# Altium PCB Board.PcbDoc (part 5 of 15)
Units mil, origin at the board's own origin, x right, y up, seen from the top; angles counter-clockwise.
Board outline 6379.64 x 4143.89 mil, 4 copper layers (Top Layer, GND, VCC, Bottom Layer); 316 components, 199 nets, 1077 pads, 596 vias.
Unrouted connection lines stored in the file: 268.
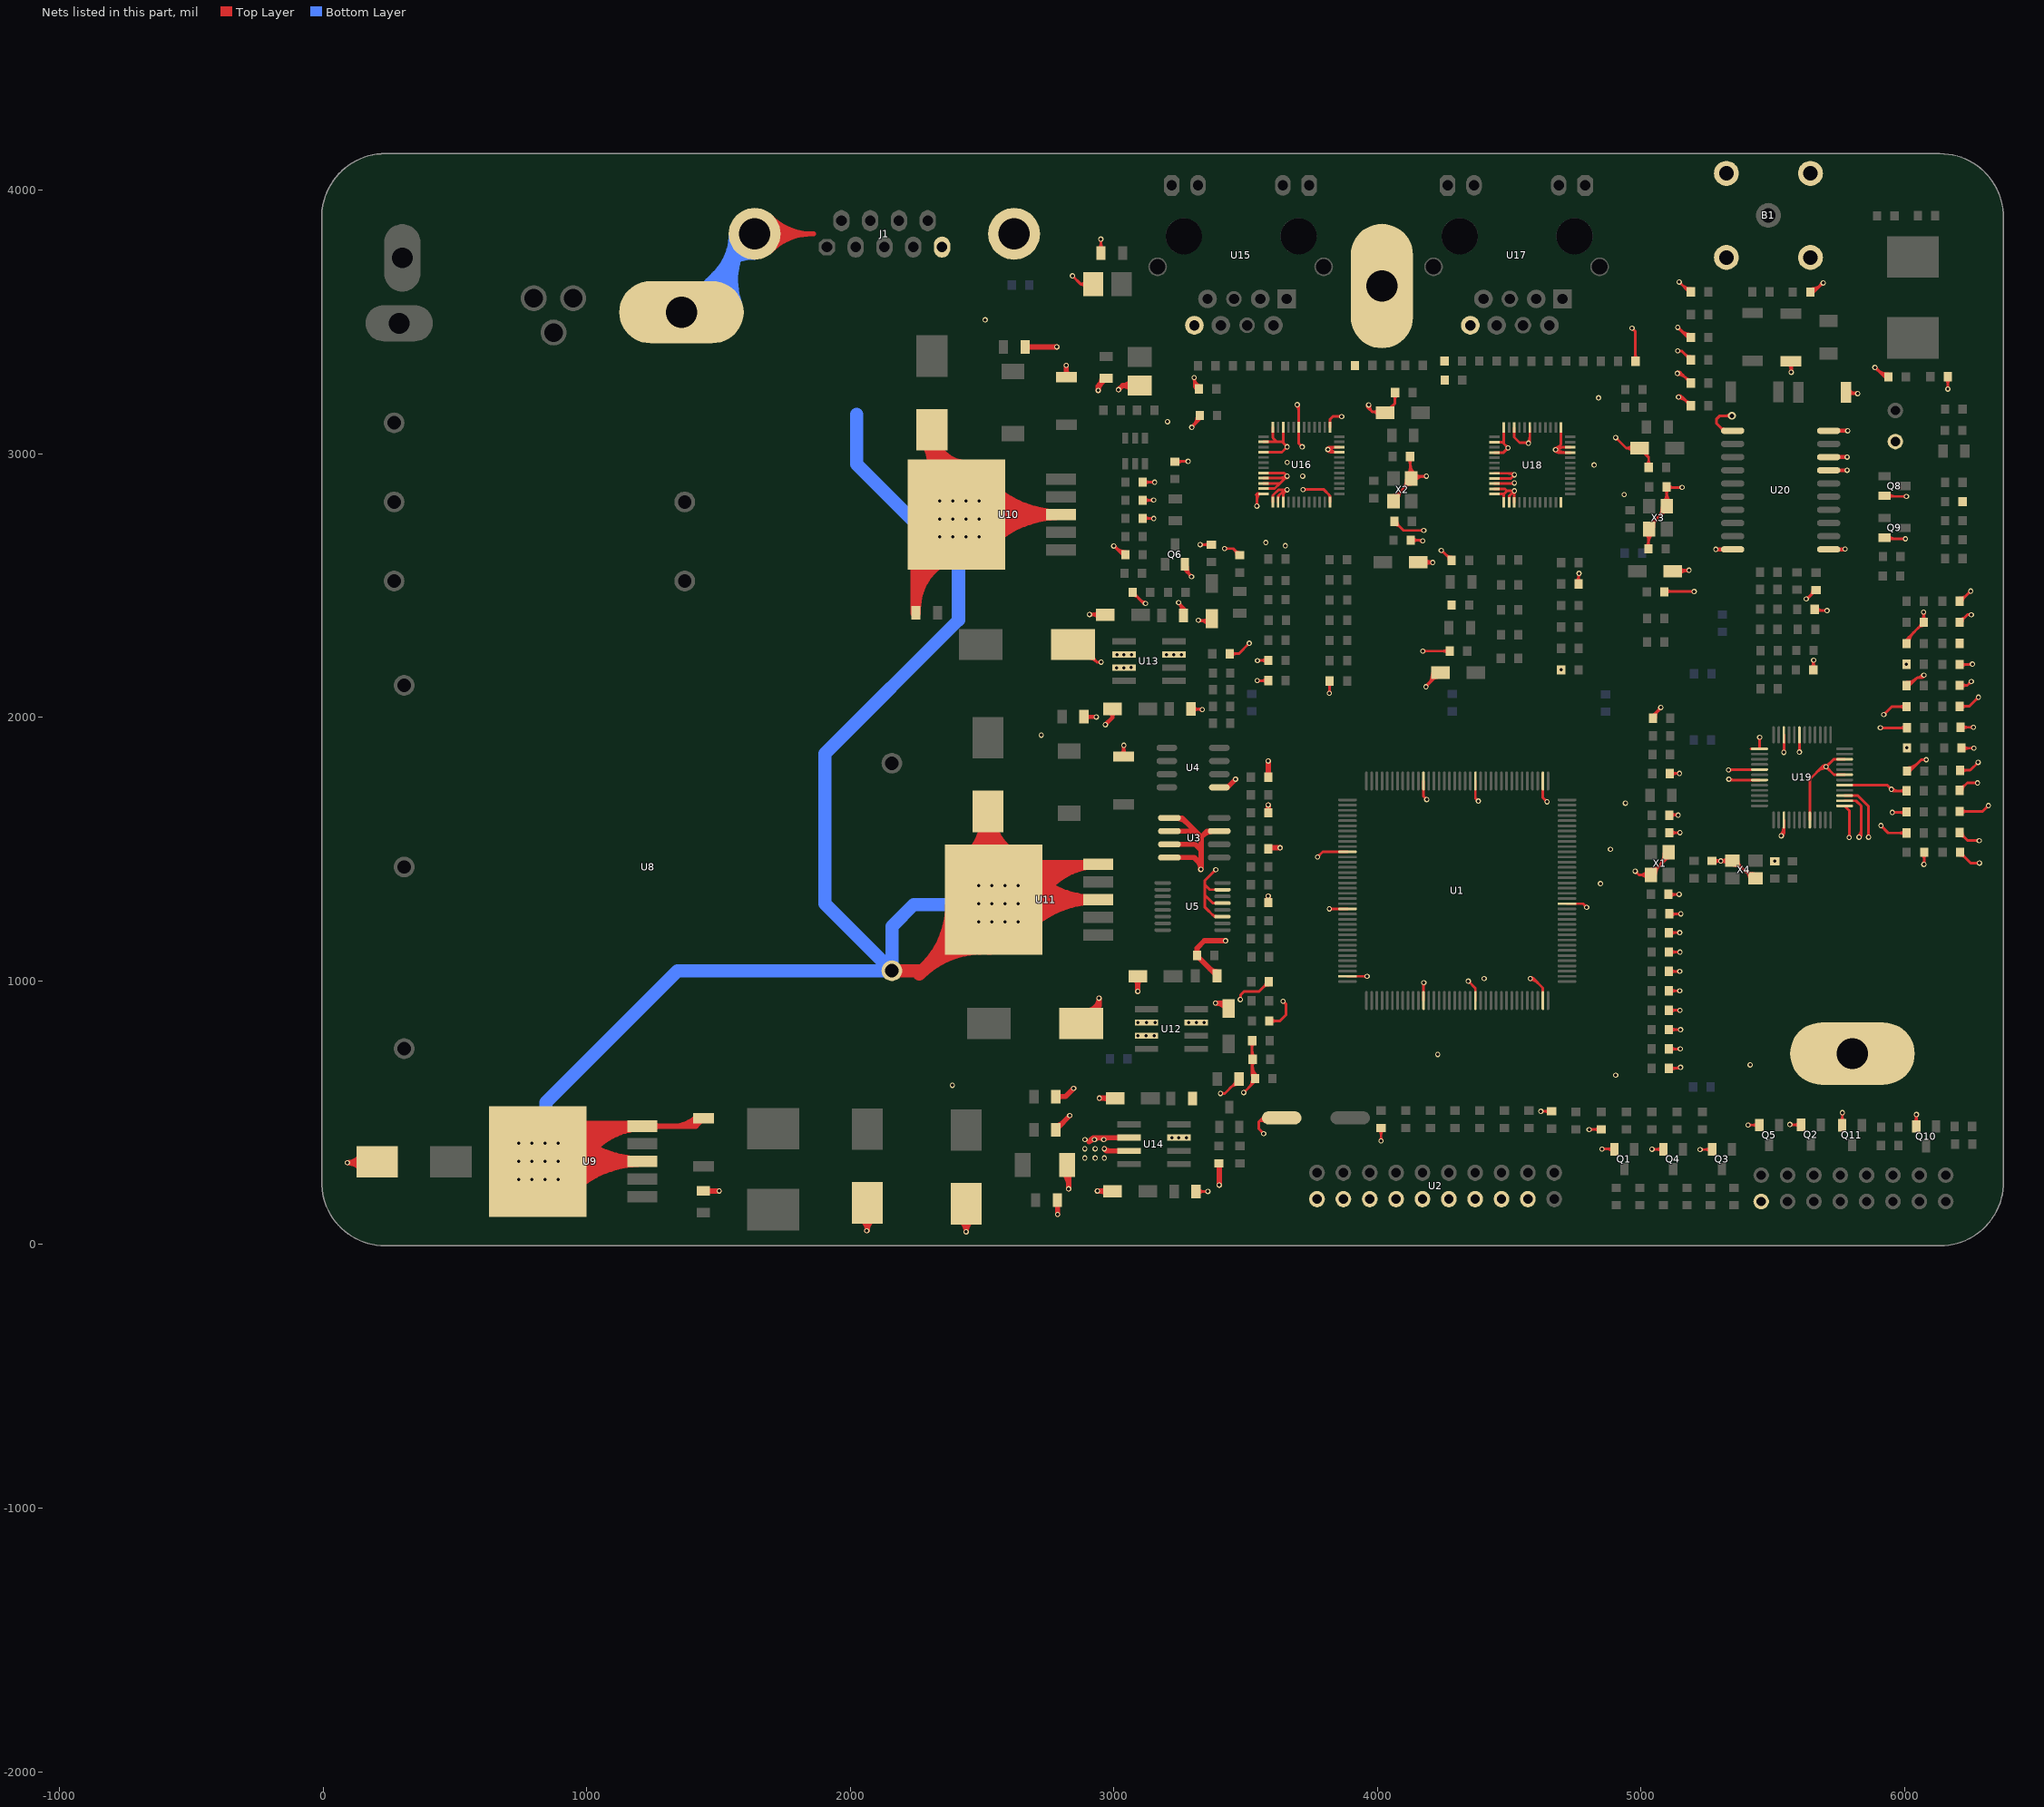
[diagram p6: the nets of this part, all layers, seen from the top]

## Via types
v1: diameter 20, hole 12, Top Layer to Bottom Layer, 590 vias
v2: diameter 30, hole 17, Top Layer to Bottom Layer, 6 vias

## Nets (pads, with @x,y where several pads share a name; then routed paths per layer and width w, separated by ;. In a path a pad name is that pad's centre, name@x,y a point inside that pad or via, vN(x,y) a via of type N, cw(c..) or ccw(c..) an arc to the next point about the centre after c; other vN are vias at no path point) (continued)
GND: (continued)
  Top Layer w10: 4163.53,2709.45 ccw(c4163.53,2721.52) v1@4172.06,2712.98 ; 4163.53,2709.45 cw(c4163.53,2697.38) v1@4172.06,2705.91 ; 4173.53,2915.45 cw(c4173.53,2903.38) v1@4182.06,2911.91 ; 4173.53,2915.45 ccw(c4173.53,2927.52) v1@4182.06,2918.98 ; 4173.53,2915.45 cw(c4173.53,2903.38) v1@4182.06,2911.91 ; 4173.53,2915.45 ccw(c4173.53,2927.52) v1@4182.06,2918.98 ; 4173.53,2915.45 ccw(c4173.53,2927.52) v1@4182.06,2918.98 ; 4173.53,2915.45 cw(c4173.53,2903.38) v1@4182.06,2911.91 ; 4174.65,979.08 cw(c4189.97,979.08) v1@4179.13,989.91 ; 4174.65,979.08 cw(c4189.97,979.08) v1@4179.13,989.91 ; 4174.65,979.08 cw(c4189.97,979.08) v1@4179.13,989.91 ; v1@4175.13,2247.91 cw(c4183.67,2239.38) 4183.67,2251.45 ; v1@4175.13,2247.91 cw(c4183.67,2239.38) 4183.67,2251.45 ; v1@4175.13,2247.91 cw(c4183.67,2239.38) 4183.67,2251.45 ; v1@4175.13,2254.98 ccw(c4183.67,2263.52) 4183.67,2251.45 ; v1@4175.13,2254.98 ccw(c4183.67,2263.52) 4183.67,2251.45 ; v1@4175.13,2254.98 ccw(c4183.67,2263.52) 4183.67,2251.45 ; C67.1@4180.07,2575.88 cw(c4208.6,2549.8) v1@4208.6,2588.45 ; C67.1@4180.07,2575.88 cw(c4208.6,2549.8) v1@4208.6,2588.45 ; C67.1@4180.07,2575.88 cw(c4208.6,2549.8) v1@4208.6,2588.45 ; C67.1@4180.07,2601.02 ccw(c4208.6,2627.1) v1@4208.6,2588.45 ; C67.1@4180.07,2601.02 ccw(c4208.6,2627.1) v1@4208.6,2588.45 ; C67.1@4180.07,2601.02 ccw(c4208.6,2627.1) v1@4208.6,2588.45 ; v1@4183.6,2121.45 ccw(c4183.6,2133.52) 4192.13,2124.98 ; v1@4183.6,2121.45 ccw(c4183.6,2133.52) 4192.13,2124.98 ; v1@4183.6,2121.45 ccw(c4183.6,2133.52) 4192.13,2124.98 ; v1@4188.6,2116.45 cw(c4200.67,2116.45) 4192.13,2124.98 ; v1@4188.6,2116.45 cw(c4200.67,2116.45) 4192.13,2124.98 ; v1@4188.6,2116.45 cw(c4200.67,2116.45) 4192.13,2124.98 ; 4195.11,2588.45 cw(c4195.11,2572.96) v1@4206.06,2583.91 ; 4195.11,2588.45 cw(c4195.11,2572.96) v1@4206.06,2583.91 ; 4195.11,2588.45 cw(c4195.11,2572.96) v1@4206.06,2583.91 ; 4211.69,2144.54 cw(c4226.87,2129.37) C78.1@4226.87,2150.83 ; 4211.69,2144.54 cw(c4226.87,2129.37) C78.1@4226.87,2150.83 ; 4211.69,2144.54 cw(c4226.87,2129.37) C78.1@4226.87,2150.83 ; v1@4241.6,2628.45 cw(c4241.6,2611.55) 4253.55,2623.5 ; v1@4241.6,2628.45 cw(c4241.6,2611.55) 4253.55,2623.5 ; v1@4241.6,2628.45 cw(c4241.6,2611.55) 4253.55,2623.5 ; 4248.65,2251.45 cw(c4248.65,2225.5) C80.1@4267,2243.85 ; 4248.65,2251.45 ccw(c4248.65,2277.4) C80.1@4267,2259.05 ; 4248.65,2251.45 cw(c4248.65,2225.5) C80.1@4267,2243.85 ; 4248.65,2251.45 ccw(c4248.65,2277.4) C80.1@4267,2259.05 ; 4248.65,2251.45 ccw(c4248.65,2277.4) C80.1@4267,2259.05 ; 4248.65,2251.45 cw(c4248.65,2225.5) C80.1@4267,2243.85 ; 4259.89,2617.16 ccw(c4281.6,2638.87) C84.2@4281.6,2608.17 ; 4259.89,2617.16 ccw(c4281.6,2638.87) C84.2@4281.6,2608.17 ; 4259.89,2617.16 ccw(c4281.6,2638.87) C84.2@4281.6,2608.17 ; 4264.64,2612.4 cw(c4249.65,2597.42) C84.2@4270.85,2597.42 ; 4264.64,2612.4 cw(c4249.65,2597.42) C84.2@4270.85,2597.42 ; 4264.64,2612.4 cw(c4249.65,2597.42) C84.2@4270.85,2597.42 ; v1@4344.6,994.45 cw(c4344.6,982.38) 4353.13,990.91 ; v1@4344.6,994.45 cw(c4344.6,982.38) 4353.13,990.91 ; v1@4344.6,994.45 cw(c4344.6,982.38) 4353.13,990.91 ; v1@4349.6,999.45 ccw(c4361.67,999.45) 4353.13,990.91 ; v1@4349.6,999.45 ccw(c4361.67,999.45) 4353.13,990.91 ; v1@4349.6,999.45 ccw(c4361.67,999.45) 4353.13,990.91 ; 4479.33,2847.18 4491.6,2859.45 ; 4487.06,3013.91 cw(c4495.6,3005.38) v1@4495.6,3017.45 ; 4487.06,3013.91 ccw(c4478.53,3022.45) v1@4490.6,3022.45 ; 4487.06,3013.91 cw(c4495.6,3005.38) v1@4495.6,3017.45 ; 4487.06,3013.91 ccw(c4478.53,3022.45) v1@4490.6,3022.45 ; 4487.06,3013.91 ccw(c4478.53,3022.45) v1@4490.6,3022.45 ; 4487.06,3013.91 cw(c4495.6,3005.38) v1@4495.6,3017.45 ; 4487.06,3030.98 cw(c4478.53,3022.45) v1@4490.6,3022.45 ; 4487.06,3030.98 ccw(c4495.6,3039.52) v1@4495.6,3027.45 ; 4487.06,3030.98 cw(c4478.53,3022.45) v1@4490.6,3022.45 ; 4487.06,3030.98 ccw(c4495.6,3039.52) v1@4495.6,3027.45 ; 4487.06,3030.98 ccw(c4495.6,3039.52) v1@4495.6,3027.45 ; 4487.06,3030.98 cw(c4478.53,3022.45) v1@4490.6,3022.45 ; 4491.6,2859.45 v1(4519.6,2859.45) v1@4518.7,2858.55 ; 4493.66,2926.19 cw(c4493.66,2894.51) v1@4516.06,2916.91 ; 4493.66,2926.19 cw(c4493.66,2894.51) v1@4516.06,2916.91 ; 4493.66,2926.19 cw(c4493.66,2894.51) v1@4516.06,2916.91 ; U18.38@4499.02,2830.72 cw(c4518.68,2830.72) 4504.77,2844.63 ; U18.38@4499.02,2830.72 cw(c4518.68,2830.72) 4504.77,2844.63 ; U18.38@4499.02,2830.72 cw(c4518.68,2830.72) 4504.77,2844.63 ; 4501.18,2886.82 ccw(c4501.18,2907.86) v1@4516.06,2892.98 ; 4501.18,2886.82 ccw(c4501.18,2907.86) v1@4516.06,2892.98 ; 4501.18,2886.82 ccw(c4501.18,2907.86) v1@4516.06,2892.98 ; 4507.53,2859.45 cw(c4507.53,2847.38) v1@4516.06,2855.91 ; 4507.53,2859.45 ccw(c4507.53,2871.52) v1@4516.06,2862.98 ; 4507.53,2859.45 cw(c4507.53,2847.38) v1@4516.06,2855.91 ; 4507.53,2859.45 ccw(c4507.53,2871.52) v1@4516.06,2862.98 ; 4507.53,2859.45 ccw(c4507.53,2871.52) v1@4516.06,2862.98 ; 4507.53,2859.45 cw(c4507.53,2847.38) v1@4516.06,2855.91 ; 4511.06,2850.91 cw(c4519.6,2842.38) v1@4519.6,2854.45 ; 4511.06,2850.91 ccw(c4502.53,2859.45) v1@4514.6,2859.45 ; 4511.06,2850.91 cw(c4519.6,2842.38) v1@4519.6,2854.45 ; 4511.06,2850.91 ccw(c4502.53,2859.45) v1@4514.6,2859.45 ; 4511.06,2850.91 ccw(c4502.53,2859.45) v1@4514.6,2859.45 ; 4511.06,2850.91 cw(c4519.6,2842.38) v1@4519.6,2854.45 ; 4511.06,2911.91 cw(c4519.6,2903.38) v1@4519.6,2915.45 ; 4511.06,2911.91 ccw(c4502.53,2920.45) v1@4514.6,2920.45 ; 4511.06,2911.91 cw(c4519.6,2903.38) v1@4519.6,2915.45 ; 4511.06,2911.91 ccw(c4502.53,2920.45) v1@4514.6,2920.45 ; 4511.06,2911.91 ccw(c4502.53,2920.45) v1@4514.6,2920.45 ; 4511.06,2911.91 cw(c4519.6,2903.38) v1@4519.6,2915.45 ; 4518.7,2845.2 cw(c4533.84,2845.2) v1@4523.13,2855.91 ; 4518.7,2845.2 cw(c4533.84,2845.2) v1@4523.13,2855.91 ; 4518.7,2845.2 cw(c4533.84,2845.2) v1@4523.13,2855.91 ; 4555.7,3042.45 cw(c4555.7,3023.55) v1@4569.06,3036.91 ; 4555.7,3042.45 cw(c4555.7,3023.55) v1@4569.06,3036.91 ; 4555.7,3042.45 cw(c4555.7,3023.55) v1@4569.06,3036.91 ; v1@4569.06,3043.98 ccw(c4548.08,3064.97) 4577.76,3064.97 ; v1@4569.06,3043.98 ccw(c4548.08,3064.97) 4577.76,3064.97 ; v1@4569.06,3043.98 ccw(c4548.08,3064.97) 4577.76,3064.97 ; v1@4579.6,1004.45 cw(c4579.6,963.41) 4608.62,992.43 ; v1@4579.6,1004.45 cw(c4579.6,963.41) 4608.62,992.43 ; v1@4579.6,1004.45 cw(c4579.6,963.41) 4608.62,992.43 ; v1@4579.6,1014.45 cw(c4579.6,997.55) 4591.55,1009.5 ; v1@4579.6,1014.45 cw(c4579.6,997.55) 4591.55,1009.5 ; v1@4579.6,1014.45 cw(c4579.6,997.55) 4591.55,1009.5 ; v1@4623.13,501.91 cw(c4631.67,493.38) 4631.67,505.45 ; v1@4623.13,501.91 cw(c4631.67,493.38) 4631.67,505.45 ; v1@4623.13,501.91 cw(c4631.67,493.38) 4631.67,505.45 ; v1@4623.13,508.98 ccw(c4631.67,517.52) 4631.67,505.45 ; v1@4623.13,508.98 ccw(c4631.67,517.52) 4631.67,505.45 ; v1@4623.13,508.98 ccw(c4631.67,517.52) 4631.67,505.45 ; 4632.68,505.45 cw(c4632.68,479.5) C15.1@4651.03,497.85 ; 4632.68,505.45 ccw(c4632.68,531.4) C15.1@4651.03,513.05 ; 4632.68,505.45 cw(c4632.68,479.5) C15.1@4651.03,497.85 ; 4632.68,505.45 ccw(c4632.68,531.4) C15.1@4651.03,513.05 ; 4632.68,505.45 ccw(c4632.68,531.4) C15.1@4651.03,513.05 ; 4632.68,505.45 cw(c4632.68,479.5) C15.1@4651.03,497.85 ; 4635.06,1687.98 cw(c4626.53,1679.45) v1@4638.6,1679.45 ; 4635.06,1687.98 ccw(c4643.6,1696.52) v1@4643.6,1684.45 ; 4635.06,1687.98 cw(c4626.53,1679.45) v1@4638.6,1679.45 ; 4635.06,1687.98 ccw(c4643.6,1696.52) v1@4643.6,1684.45 ; 4635.06,1687.98 ccw(c4643.6,1696.52) v1@4643.6,1684.45 ; 4635.06,1687.98 cw(c4626.53,1679.45) v1@4638.6,1679.45 ; v1@4675.6,3020.45 ccw(c4675.6,3032.52) 4684.13,3023.98 ; v1@4675.6,3020.45 ccw(c4675.6,3032.52) 4684.13,3023.98 ; v1@4675.6,3020.45 ccw(c4675.6,3032.52) 4684.13,3023.98 ; v1@4675.6,3020.45 ccw(c4675.6,3032.52) 4684.13,3023.98 ; v1@4675.6,3020.45 ccw(c4675.6,3032.52) 4684.13,3023.98 ; v1@4680.6,3015.45 cw(c4692.67,3015.45) 4684.13,3023.98 ; v1@4680.6,3015.45 cw(c4692.67,3015.45) 4684.13,3023.98 ; v1@4680.6,3015.45 cw(c4692.67,3015.45) 4684.13,3023.98 ; v1@4680.6,3015.45 cw(c4692.67,3015.45) 4684.13,3023.98 ; v1@4680.6,3015.45 cw(c4692.67,3015.45) 4684.13,3023.98 ; R63.1@4754.85,2516.18 ccw(c4736.5,2534.52) 4762.45,2534.52 ; R63.1@4754.85,2516.18 ccw(c4736.5,2534.52) 4762.45,2534.52 ; R63.1@4754.85,2516.18 ccw(c4736.5,2534.52) 4762.45,2534.52 ; 4762.45,2529.19 cw(c4781.86,2529.19) v1@4768.13,2542.91 ; 4762.45,2529.19 cw(c4781.86,2529.19) v1@4768.13,2542.91 ; 4762.45,2529.19 cw(c4781.86,2529.19) v1@4768.13,2542.91 ; 4762.45,2534.52 ccw(c4788.4,2534.52) R63.1@4770.05,2516.18 ; 4762.45,2534.52 ccw(c4788.4,2534.52) R63.1@4770.05,2516.18 ; 4762.45,2534.52 ccw(c4788.4,2534.52) R63.1@4770.05,2516.18 ; 4785.06,1287.98 cw(c4776.53,1279.45) v1@4788.6,1279.45 ; 4785.06,1287.98 ccw(c4793.6,1296.52) v1@4793.6,1284.45 ; 4785.06,1287.98 cw(c4776.53,1279.45) v1@4788.6,1279.45 ; 4785.06,1287.98 ccw(c4793.6,1296.52) v1@4793.6,1284.45 ; 4785.06,1287.98 ccw(c4793.6,1296.52) v1@4793.6,1284.45 ; 4785.06,1287.98 cw(c4776.53,1279.45) v1@4788.6,1279.45 ; v1@4806.13,432.91 cw(c4814.67,424.38) 4814.67,436.45 ; v1@4806.13,432.91 cw(c4814.67,424.38) 4814.67,436.45 ; v1@4806.13,432.91 cw(c4814.67,424.38) 4814.67,436.45 ; v1@4806.13,439.98 ccw(c4814.67,448.52) 4814.67,436.45 ; v1@4806.13,439.98 ccw(c4814.67,448.52) 4814.67,436.45 ; v1@4806.13,439.98 ccw(c4814.67,448.52) 4814.67,436.45 ; 4818.27,436.45 ccw(c4818.27,465.81) R1.1@4839.03,445.05 ; 4818.27,436.45 ccw(c4818.27,465.81) R1.1@4839.03,445.05 ; 4818.27,436.45 ccw(c4818.27,465.81) R1.1@4839.03,445.05 ; 4823.1,436.45 cw(c4823.1,413.91) R1.1@4839.03,429.85 ; 4823.1,436.45 cw(c4823.1,413.91) R1.1@4839.03,429.85 ; 4823.1,436.45 cw(c4823.1,413.91) R1.1@4839.03,429.85 ; v1@4855.13,358.91 cw(c4863.67,350.38) 4863.67,362.45 ; v1@4855.13,358.91 cw(c4863.67,350.38) 4863.67,362.45 ; v1@4855.13,358.91 cw(c4863.67,350.38) 4863.67,362.45 ; v1@4855.13,365.98 ccw(c4863.67,374.52) 4863.67,362.45 ; v1@4855.13,365.98 ccw(c4863.67,374.52) 4863.67,362.45 ; v1@4855.13,365.98 ccw(c4863.67,374.52) 4863.67,362.45 ; 4870.43,362.45 cw(c4870.43,333.09) Q1.1@4891.2,353.85 ; 4870.43,362.45 cw(c4870.43,333.09) Q1.1@4891.2,353.85 ; 4870.43,362.45 cw(c4870.43,333.09) Q1.1@4891.2,353.85 ; 4875.26,362.45 ccw(c4875.26,384.98) Q1.1@4891.2,369.05 ; 4875.26,362.45 ccw(c4875.26,384.98) Q1.1@4891.2,369.05 ; 4875.26,362.45 ccw(c4875.26,384.98) Q1.1@4891.2,369.05 ; v1@4903.6,3056.45 cw(c4903.6,3044.38) 4912.13,3052.91 ; v1@4903.6,3056.45 cw(c4903.6,3044.38) 4912.13,3052.91 ; v1@4903.6,3056.45 cw(c4903.6,3044.38) 4912.13,3052.91 ; v1@4908.6,3061.45 ccw(c4920.67,3061.45) 4912.13,3052.91 ; v1@4908.6,3061.45 ccw(c4920.67,3061.45) 4912.13,3052.91 ; v1@4908.6,3061.45 ccw(c4920.67,3061.45) 4912.13,3052.91 ; 4943.6,3021.45 cw(c4943.6,2991.44) C73.1@4967.21,3009.96 ; 4943.6,3021.45 ccw(c4943.6,3051.45) C73.1@4967.21,3032.94 ; 4943.6,3021.45 cw(c4943.6,2991.44) C73.1@4967.21,3009.96 ; 4943.6,3021.45 ccw(c4943.6,3051.45) C73.1@4967.21,3032.94 ; 4943.6,3021.45 ccw(c4943.6,3051.45) C73.1@4967.21,3032.94 ; 4943.6,3021.45 cw(c4943.6,2991.44) C73.1@4967.21,3009.96 ; 4943.6,3021.45 C73.1@4993.68,3021.45 5028.6,2986.53 ; v1@4965.6,3471.45 cw(c4965.6,3459.38) 4974.13,3467.91 ; v1@4965.6,3471.45 cw(c4965.6,3459.38) 4974.13,3467.91 ; v1@4965.6,3471.45 cw(c4965.6,3459.38) 4974.13,3467.91 ; v1@4970.6,3476.45 ccw(c4982.67,3476.45) 4974.13,3467.91 ; v1@4970.6,3476.45 ccw(c4982.67,3476.45) 4974.13,3467.91 ; v1@4970.6,3476.45 ccw(c4982.67,3476.45) 4974.13,3467.91 ; C75.2@4971,3361.02 ccw(c4952.65,3379.37) 4978.6,3379.37 ; C75.2@4971,3361.02 ccw(c4952.65,3379.37) 4978.6,3379.37 ; C75.2@4971,3361.02 ccw(c4952.65,3379.37) 4978.6,3379.37 ; v1@4977.6,1411.45 cw(c4977.6,1399.38) 4986.13,1407.91 ; v1@4977.6,1411.45 cw(c4977.6,1399.38) 4986.13,1407.91 ; v1@4977.6,1411.45 cw(c4977.6,1399.38) 4986.13,1407.91 ; 4978.6,3379.37 ccw(c5004.55,3379.37) C75.2@4986.2,3361.02 ; 4978.6,3379.37 ccw(c5004.55,3379.37) C75.2@4986.2,3361.02 ; 4978.6,3379.37 ccw(c5004.55,3379.37) C75.2@4986.2,3361.02 ; v1@4982.6,1416.45 ccw(c4994.67,1416.45) 4986.13,1407.91 ; v1@4982.6,1416.45 ccw(c4994.67,1416.45) 4986.13,1407.91 ; v1@4982.6,1416.45 ccw(c4994.67,1416.45) 4986.13,1407.91 ; 4992.71,1402.45 cw(c4992.71,1357.49) X1.4@5024.5,1389.28 ; 4992.71,1402.45 ccw(c4992.71,1447.41) X1.4@5024.5,1415.62 ; 4992.71,1402.45 cw(c4992.71,1357.49) X1.4@5024.5,1389.28 ; 4992.71,1402.45 ccw(c4992.71,1447.41) X1.4@5024.5,1415.62 ; 4992.71,1402.45 ccw(c4992.71,1447.41) X1.4@5024.5,1415.62 ; 4992.71,1402.45 cw(c4992.71,1357.49) X1.4@5024.5,1389.28 ; C73.1@5005.49,3002.83 cw(c5005.49,2986.38) C73.1@5017.12,2998.01 ; C73.1@5005.49,3002.83 cw(c5005.49,2986.38) C73.1@5017.12,2998.01 ; C73.1@5005.49,3002.83 cw(c5005.49,2986.38) C73.1@5017.12,2998.01 ; X3.4@5017.5,2697.34 cw(c4993.13,2672.97) 5027.6,2672.97 ; X3.4@5017.5,2697.34 cw(c4993.13,2672.97) 5027.6,2672.97 ; X3.4@5017.5,2697.34 cw(c4993.13,2672.97) 5027.6,2672.97 ; C77.1@5020,2649.02 ccw(c5001.65,2667.37) 5027.6,2667.37 ; C77.1@5020,2649.02 ccw(c5001.65,2667.37) 5027.6,2667.37 ; C77.1@5020,2649.02 ccw(c5001.65,2667.37) 5027.6,2667.37 ; C74.1@5021,2958.02 ccw(c5002.65,2976.37) 5028.6,2976.37 ; C74.1@5021,2958.02 ccw(c5002.65,2976.37) 5028.6,2976.37 ; C74.1@5021,2958.02 ccw(c5002.65,2976.37) 5028.6,2976.37 ; 5027.6,2658.14 cw(c5083.04,2658.14) X3.4@5043.84,2697.34 ; 5027.6,2658.14 cw(c5083.04,2658.14) X3.4@5043.84,2697.34 ; 5027.6,2658.14 cw(c5083.04,2658.14) X3.4@5043.84,2697.34 ; 5027.6,2667.37 ccw(c5053.55,2667.37) C77.1@5035.2,2649.02 ; 5027.6,2667.37 ccw(c5053.55,2667.37) C77.1@5035.2,2649.02 ; 5027.6,2667.37 ccw(c5053.55,2667.37) C77.1@5035.2,2649.02 ; 5027.6,2682.28 cw(c5058.9,2682.28) X3.4@5036.77,2704.42 ; 5027.6,2682.28 cw(c5058.9,2682.28) X3.4@5036.77,2704.42 ; 5027.6,2682.28 cw(c5058.9,2682.28) X3.4@5036.77,2704.42 ; 5028.6,2976.37 ccw(c5054.55,2976.37) C74.1@5036.2,2958.02 ; 5028.6,2976.37 ccw(c5054.55,2976.37) C74.1@5036.2,2958.02 ; 5028.6,2976.37 ccw(c5054.55,2976.37) C74.1@5036.2,2958.02 ; X3.4@5030.67,2737.01 ccw(c5030.67,2767.16) 5051.99,2745.84 ; X3.4@5030.67,2737.01 ccw(c5030.67,2767.16) 5051.99,2745.84 ; X3.4@5030.67,2737.01 ccw(c5030.67,2767.16) 5051.99,2745.84 ; X3.4@5039.23,2719.42 cw(c5064.29,2722.44) X3.4@5046.44,2740.29 ; X3.4@5039.23,2719.42 cw(c5064.29,2722.44) X3.4@5046.44,2740.29 ; X3.4@5039.23,2719.42 cw(c5064.29,2722.44) X3.4@5046.44,2740.29 ; v1@5045.13,357.91 cw(c5053.67,349.38) 5053.67,361.45 ; v1@5045.13,357.91 cw(c5053.67,349.38) 5053.67,361.45 ; v1@5045.13,357.91 cw(c5053.67,349.38) 5053.67,361.45 ; v1@5045.13,364.98 ccw(c5053.67,373.52) 5053.67,361.45 ; v1@5045.13,364.98 ccw(c5053.67,373.52) 5053.67,361.45 ; v1@5045.13,364.98 ccw(c5053.67,373.52) 5053.67,361.45 ; R104.2@5045.35,1998.42 cw(c5068.96,1998.42) 5052.26,2015.11 ; R104.2@5045.35,1998.42 cw(c5068.96,1998.42) 5052.26,2015.11 ; R104.2@5045.35,1998.42 cw(c5068.96,1998.42) 5052.26,2015.11 ; X3.4@5049.16,2720.62 cw(c5090.23,2725.57) 5060.97,2754.83 ; X3.4@5049.16,2720.62 cw(c5090.23,2725.57) 5060.97,2754.83 ; X3.4@5049.16,2720.62 cw(c5090.23,2725.57) 5060.97,2754.83 ; R104.2@5055.35,1998.42 cw(c5103.1,1998.42) v1@5069.33,2032.18 ; R104.2@5055.35,1998.42 cw(c5103.1,1998.42) v1@5069.33,2032.18 ; R104.2@5055.35,1998.42 cw(c5103.1,1998.42) v1@5069.33,2032.18 ; 5058.35,361.45 cw(c5058.35,335.5) Q4.1@5076.7,353.85 ; 5058.35,361.45 ccw(c5058.35,387.4) Q4.1@5076.7,369.05 ; 5058.35,361.45 cw(c5058.35,335.5) Q4.1@5076.7,353.85 ; 5058.35,361.45 ccw(c5058.35,387.4) Q4.1@5076.7,369.05 ; 5058.35,361.45 ccw(c5058.35,387.4) Q4.1@5076.7,369.05 ; 5058.35,361.45 cw(c5058.35,335.5) Q4.1@5076.7,353.85 ; 5060.98,2754.83 5060.98,2755.01 5097.6,2791.63 X3.2@5097.6,2801.06 C83.1@5097.6,2873.45 ; 5066.06,2028.91 cw(c5074.6,2020.38) v1@5074.6,2032.45 ; 5066.06,2028.91 ccw(c5057.53,2037.45) v1@5069.6,2037.45 ; 5066.06,2028.91 cw(c5074.6,2020.38) v1@5074.6,2032.45 ; 5066.06,2028.91 ccw(c5057.53,2037.45) v1@5069.6,2037.45 ; 5066.06,2028.91 ccw(c5057.53,2037.45) v1@5069.6,2037.45 ; 5066.06,2028.91 cw(c5074.6,2020.38) v1@5074.6,2032.45 ; 5075.19,2769.22 cw(c5097.6,2746.82) X3.2@5097.6,2778.5 ; 5075.19,2769.22 cw(c5097.6,2746.82) X3.2@5097.6,2778.5 ; 5075.19,2769.22 cw(c5097.6,2746.82) X3.2@5097.6,2778.5 ; X3.2@5084.43,2818.17 ccw(c5052.64,2849.96) 5097.6,2849.96 ; X3.2@5084.43,2818.17 ccw(c5052.64,2849.96) 5097.6,2849.96 ; X3.2@5084.43,2818.17 ccw(c5052.64,2849.96) 5097.6,2849.96 ; C83.1@5089,2864.88 cw(c5068.24,2844.12) 5097.6,2844.12 ; C83.1@5089,2864.88 cw(c5068.24,2844.12) 5097.6,2844.12 ; C83.1@5089,2864.88 cw(c5068.24,2844.12) 5097.6,2844.12 ; C81.1@5095.2,2470.82 cw(c5111.21,2454.81) 5111.21,2477.45 ; C81.1@5095.2,2470.82 cw(c5111.21,2454.81) 5111.21,2477.45 ; C81.1@5095.2,2470.82 cw(c5111.21,2454.81) 5111.21,2477.45 ; C81.1@5095.2,2486.02 ccw(c5115.88,2506.7) 5115.88,2477.45 ; C81.1@5095.2,2486.02 ccw(c5115.88,2506.7) 5115.88,2477.45 ; C81.1@5095.2,2486.02 ccw(c5115.88,2506.7) 5115.88,2477.45 ; 5097.6,2848.95 cw(c5120.13,2848.95) C83.1@5104.2,2864.88 ; 5097.6,2848.95 cw(c5120.13,2848.95) C83.1@5104.2,2864.88 ; 5097.6,2848.95 cw(c5120.13,2848.95) C83.1@5104.2,2864.88 ; 5097.6,2849.96 ccw(c5142.56,2849.96) X3.2@5110.77,2818.17 ; 5097.6,2849.96 ccw(c5142.56,2849.96) X3.2@5110.77,2818.17 ; 5097.6,2849.96 ccw(c5142.56,2849.96) X3.2@5110.77,2818.17 ; C83.1@5104.2,2864.88 cw(c5122.47,2846.61) 5122.47,2872.45 ; C83.1@5104.2,2864.88 cw(c5122.47,2846.61) 5122.47,2872.45 ; C83.1@5104.2,2864.88 cw(c5122.47,2846.61) 5122.47,2872.45 ; C83.1@5104.2,2880.08 ccw(c5122.62,2898.5) 5122.62,2872.45 ; C83.1@5104.2,2880.08 ccw(c5122.62,2898.5) 5122.62,2872.45 ; C83.1@5104.2,2880.08 ccw(c5122.62,2898.5) 5122.62,2872.45 ; C17.1@5111.2,1319.88 cw(c5131.88,1299.19) 5131.88,1328.45 ; C17.1@5111.2,1319.88 cw(c5131.88,1299.19) 5131.88,1328.45 ; C17.1@5111.2,1319.88 cw(c5131.88,1299.19) 5131.88,1328.45 ; C17.1@5111.2,1335.08 ccw(c5127.21,1351.09) 5127.21,1328.45 ; C17.1@5111.2,1335.08 ccw(c5127.21,1351.09) 5127.21,1328.45 ; C17.1@5111.2,1335.08 ccw(c5127.21,1351.09) 5127.21,1328.45 ; C4.1@5113.05,660.85 cw(c5131.4,642.5) 5131.4,668.45 ; C4.1@5113.05,660.85 cw(c5131.4,642.5) 5131.4,668.45 ; C4.1@5113.05,660.85 cw(c5131.4,642.5) 5131.4,668.45 ; C4.1@5113.05,676.05 ccw(c5131.4,694.4) 5131.4,668.45 ; C4.1@5113.05,676.05 ccw(c5131.4,694.4) 5131.4,668.45 ; C4.1@5113.05,676.05 ccw(c5131.4,694.4) 5131.4,668.45 ; C5.1@5113.05,734.42 cw(c5131.4,716.07) 5131.4,742.02 ; C5.1@5113.05,734.42 cw(c5131.4,716.07) 5131.4,742.02 ; C5.1@5113.05,734.42 cw(c5131.4,716.07) 5131.4,742.02 ; C5.1@5113.05,749.62 ccw(c5131.4,767.97) 5131.4,742.02 ; C5.1@5113.05,749.62 ccw(c5131.4,767.97) 5131.4,742.02 ; C5.1@5113.05,749.62 ccw(c5131.4,767.97) 5131.4,742.02 ; C6.1@5113.05,807.99 cw(c5131.4,789.64) 5131.4,815.59 ; C6.1@5113.05,807.99 cw(c5131.4,789.64) 5131.4,815.59 ; C6.1@5113.05,807.99 cw(c5131.4,789.64) 5131.4,815.59 ; C6.1@5113.05,823.19 ccw(c5131.4,841.54) 5131.4,815.59 ; C6.1@5113.05,823.19 ccw(c5131.4,841.54) 5131.4,815.59 ; C6.1@5113.05,823.19 ccw(c5131.4,841.54) 5131.4,815.59 ; C7.1@5113.05,881.56 cw(c5131.4,863.21) 5131.4,889.16 ; C7.1@5113.05,881.56 cw(c5131.4,863.21) 5131.4,889.16 ; C7.1@5113.05,881.56 cw(c5131.4,863.21) 5131.4,889.16 ; C7.1@5113.05,896.76 ccw(c5131.4,915.11) 5131.4,889.16 ; C7.1@5113.05,896.76 ccw(c5131.4,915.11) 5131.4,889.16 ; C7.1@5113.05,896.76 ccw(c5131.4,915.11) 5131.4,889.16 ; C8.1@5113.05,955.13 cw(c5131.4,936.78) 5131.4,962.73 ; C8.1@5113.05,955.13 cw(c5131.4,936.78) 5131.4,962.73 ; C8.1@5113.05,955.13 cw(c5131.4,936.78) 5131.4,962.73 ; C8.1@5113.05,970.33 ccw(c5131.4,988.68) 5131.4,962.73 ; C8.1@5113.05,970.33 ccw(c5131.4,988.68) 5131.4,962.73 ; C8.1@5113.05,970.33 ccw(c5131.4,988.68) 5131.4,962.73 ; C12.1@5113.05,1028.7 cw(c5131.4,1010.35) 5131.4,1036.3 ; C12.1@5113.05,1028.7 cw(c5131.4,1010.35) 5131.4,1036.3 ; C12.1@5113.05,1028.7 cw(c5131.4,1010.35) 5131.4,1036.3 ; C12.1@5113.05,1043.9 ccw(c5131.4,1062.25) 5131.4,1036.3 ; C12.1@5113.05,1043.9 ccw(c5131.4,1062.25) 5131.4,1036.3 ; C12.1@5113.05,1043.9 ccw(c5131.4,1062.25) 5131.4,1036.3 ; C9.1@5113.05,1102.27 cw(c5131.4,1083.92) 5131.4,1109.87 ; C9.1@5113.05,1102.27 cw(c5131.4,1083.92) 5131.4,1109.87 ; C9.1@5113.05,1102.27 cw(c5131.4,1083.92) 5131.4,1109.87 